# KiCad board motherboard.kicad_pcb (continued)
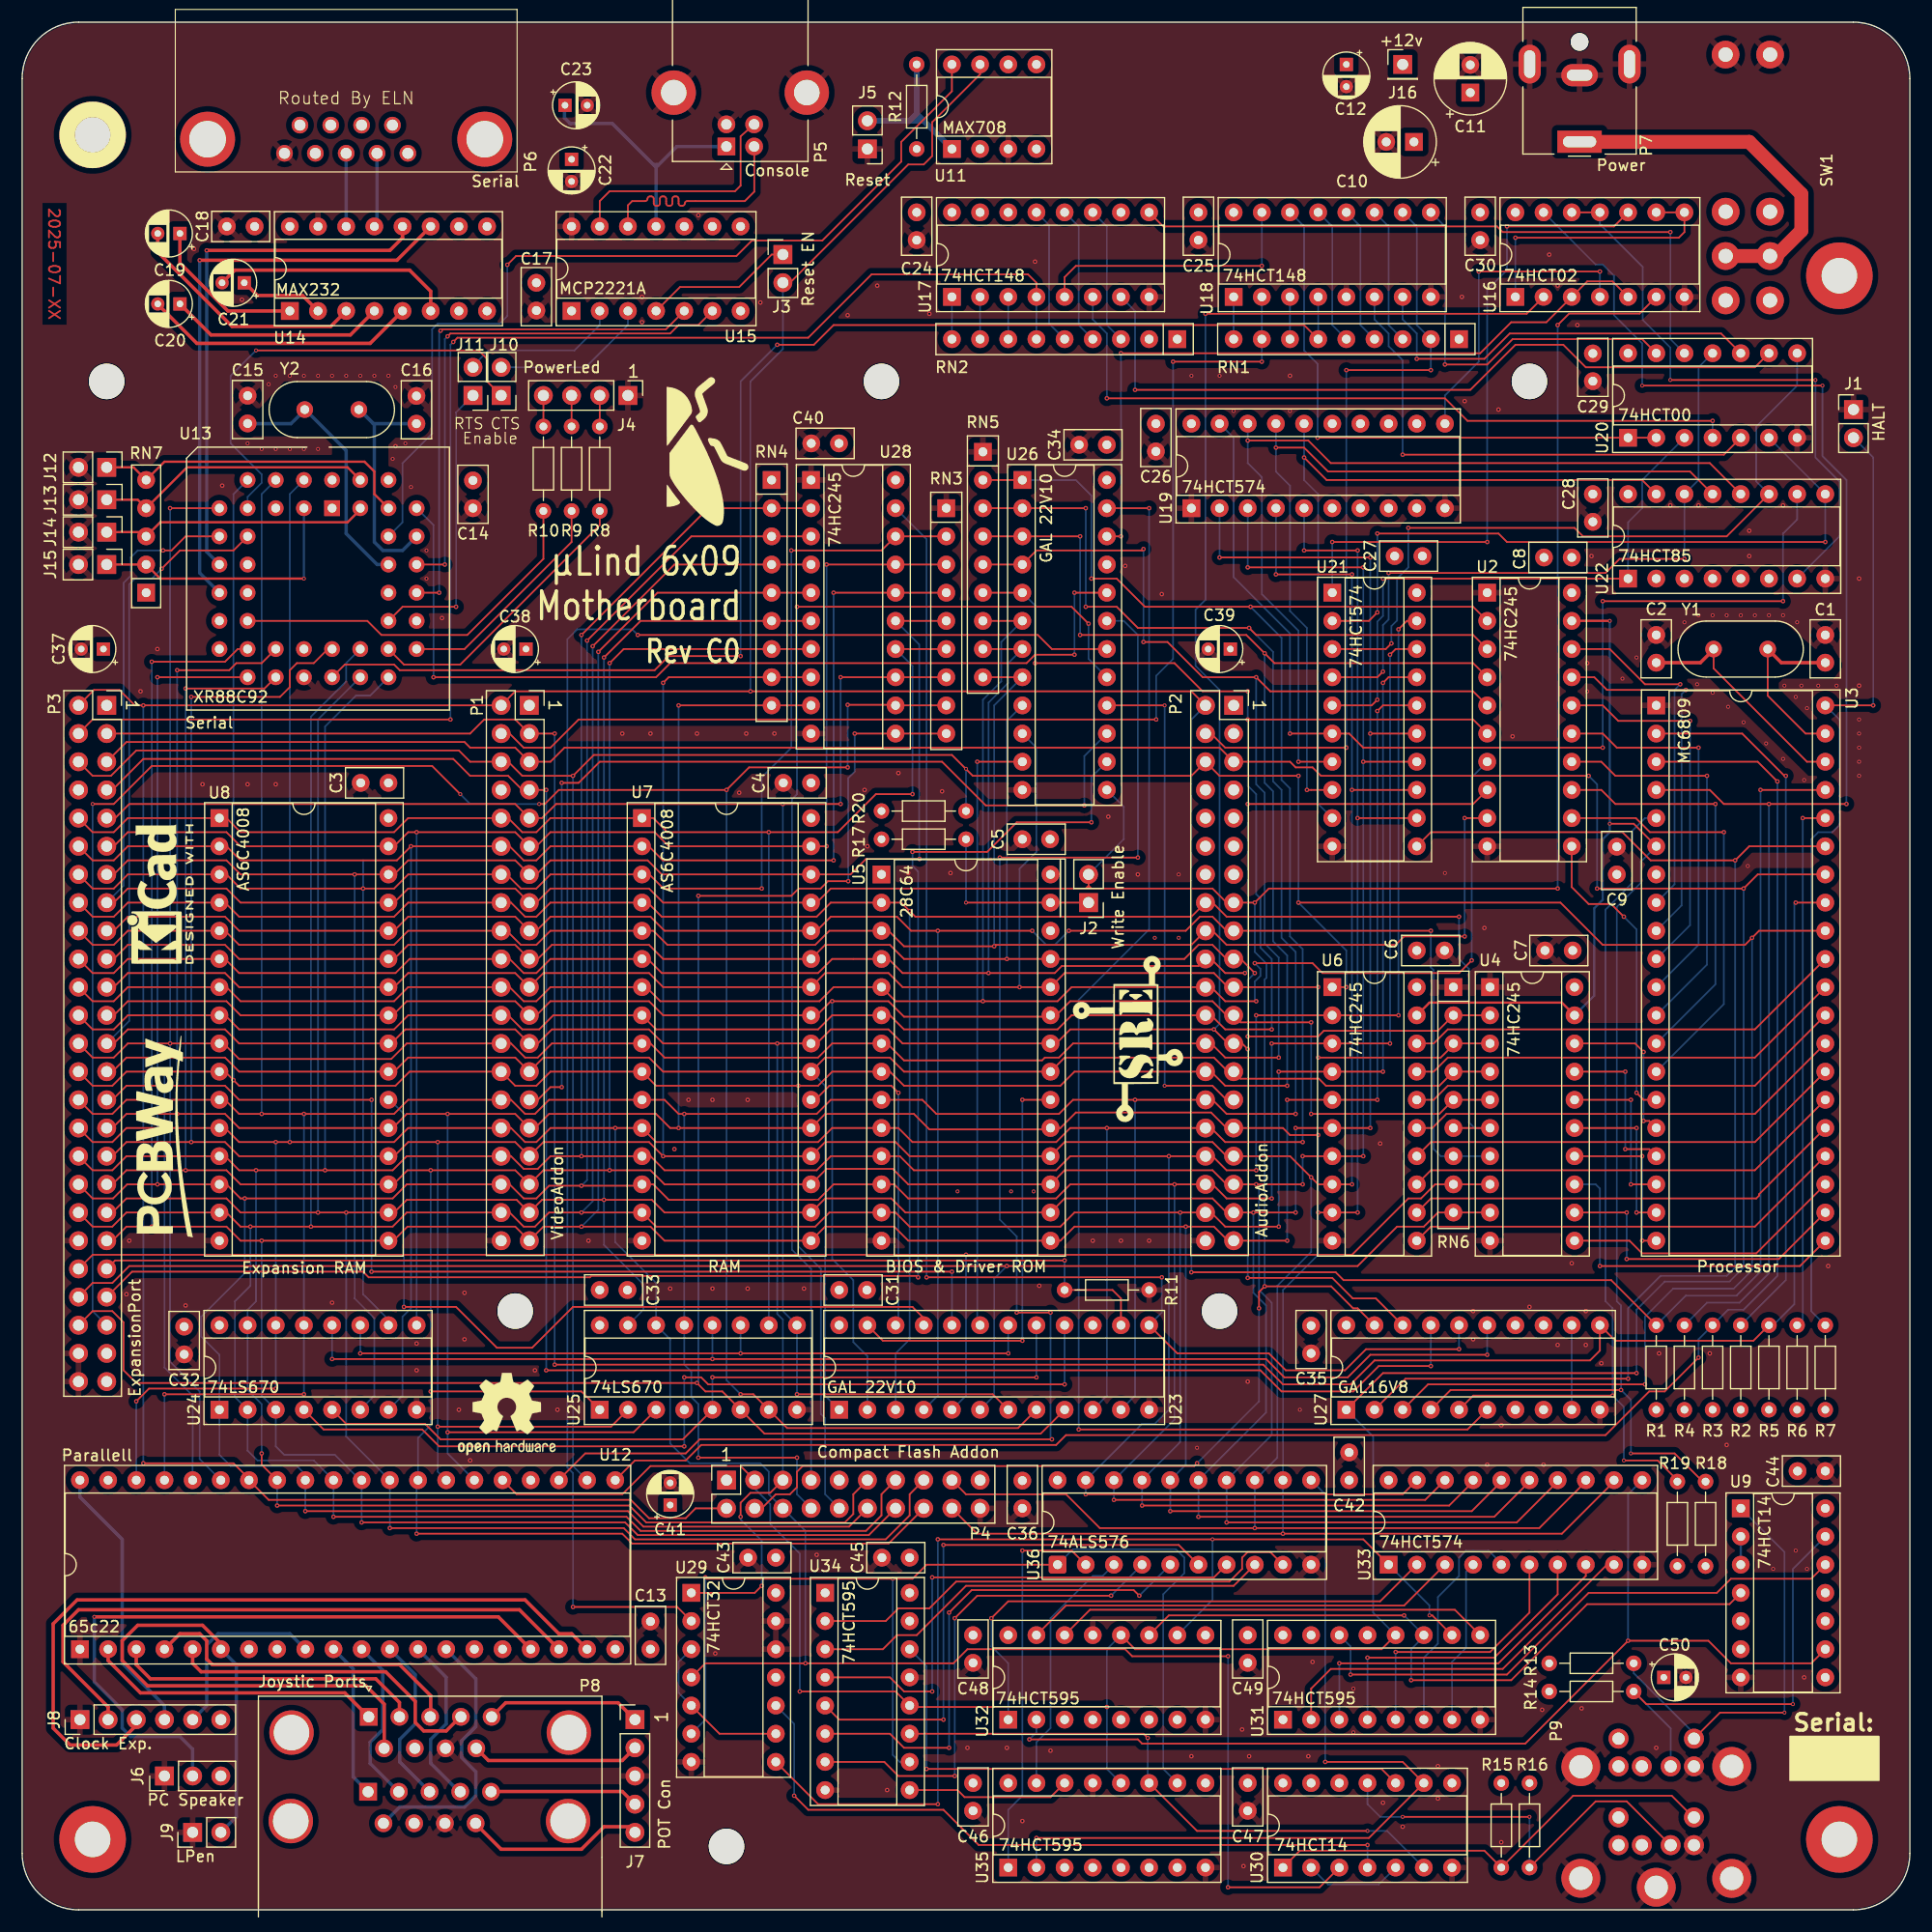
[diagram p0: board, top side]
## Routing (per net, layer and track width the routed paths; a pad name or vN(x,y) marks a point on that pad's centre or on a via; arc(x,y) is an arc through that point) (continued)
  Bottom w0.152: v1(111.12,90.8) 111.12,86.36 112.18,85.3 112.18,84.03 112.01,83.87 v1(112.01,56.21) ; P3.15 9.14,92.33 9.14,119.63 9.78,120.27 9.78,121.92 10.41,122.55 v1(12.7,122.55) ; J2.2 99.31,96.52 99.31,99.44 U26.13 ; v1(105.92,40.26) 111.51,45.85 v1(111.51,54.23) ; v1(138.43,92.07) v1(138.43,142.88)
/Power-Management/RST: length 82.2
  Top w0.152: U11.8 83.82,163.96 79.25,159.38 79.25,157.61 72.14,150.5 65.79,150.5 64.39,149.1 44.53,149.1 v1(43.74,148.31)
  Bottom w0.152: v1(43.74,148.31) 43.74,143.69 43.05,143 37.46,143 36.96,142.49 36.96,133.1 34.29,130.43 34.29,125.09 U13.38
/PS2/M_CLK: length 63.8
  Top w0.152: v1(124.59,26.54) 103.38,26.54 U32.11 ; U9.4 153.92,27.56 141.1,27.56 134.24,20.7 v1(125.22,20.7)
  Bottom w0.152: v1(124.59,26.54) U31.11 126.36,24.64 125.22,23.5 v1(125.22,20.7)
/PS2/M_DATA: length 50.9
  Top w0.152: v1(119.76,21.21) 133.86,21.21 141.22,28.57 152.78,28.57 154.05,29.84 161.29,29.84 U9.12
  Bottom w0.152: v1(119.76,21.21) 119.76,23.75 118.74,24.76
/PS2/PS2_KB_CLK: length 41.8
  Top w0.152: U30.1 115.19,5.33 131.83,5.33 133.35,3.81 139.83,10.29 148.72,10.29 150.67,8.33 P9.11
/PS2/PS2_KB_DATA: length 38.4
  Top w0.152: P9.7 148.6,5.83 144.65,9.78 141.86,9.78 135.89,3.81 ; v2(124.46,8.38) v2(135.89,8.38)
  Bottom w0.152: v2(124.46,8.38) 122.43,8.38 121.28,9.52 121.28,11.43 ; v2(135.89,8.38) 135.89,3.81
/PS2/PS2_M_CLK: length 38.8
  Top w0.152: v2(158.88,17.78) 153.07,17.78 P9.5 ; R13.2 145.54,22.48
  Bottom w0.152: v2(158.88,17.78) 158.88,32.26 U9.1 154.69,36.19 ; R13.2 145.29,21.34 150.72,15.9 P9.5
/PS2/PS2_M_DATA: length 39.7
  Top w0.152: 145.29,20.07 R14.2 146.43,18.54 v2(159.64,18.54)
  Bottom w0.152: P9.1 148.62,16.35 R14.2 ; v2(159.64,18.54) 159.64,30.73 U9.13
/Serial-Parallel/D+: length 21.6
  Top w0.152: U15.13 52.07,154.05 52.96,154.94 64.26,154.94 64.77,155.45 64.77,159.89 P5.3
/Serial-Parallel/D-: length 21.7
  Top w0.152: U15.12 54.61,153.67 54.99,154.05 56.17,154.05 arc(56.32,154.11) 56.38,154.26 arc(56.44,154.41) 56.59,154.47 56.73,154.47 arc(56.88,154.41) 56.94,154.26 56.94,153.84 arc(57,153.69) 57.15,153.63 57.29,153.63 arc(57.44,153.69) 57.5,153.84 57.5,154.26 arc(57.56,154.41) 57.71,154.47 57.85,154.47 arc(58,154.41) 58.06,154.26 58.06,153.84 arc(58.12,153.69) 58.27,153.63 58.41,153.63 arc(58.56,153.69) 58.62,153.84 58.62,154.26 arc(58.68,154.41) 58.83,154.47 58.97,154.47 arc(59.12,154.41) 59.18,154.26 59.18,153.84 arc(59.24,153.69) 59.39,153.63 59.53,153.63 arc(59.68,153.69) 59.74,153.84 arc(59.8,153.99) 59.95,154.05 65.15,154.05 66,154.9 66,158.96 P5.2
/~{IRQ_0}: length 121.3
  Top w0.152: U13.24 29.08,112.27 33.53,112.27 34.04,111.76 57.02,111.76 58.29,113.03 v1(64.77,113.03) ; v1(68.07,141.1) 71.37,141.1 73.15,142.88 115.57,142.88 RN2.6
  Bottom w0.152: U18.4 RN2.6 ; v1(68.07,141.1) 64.77,137.79 v1(64.77,113.03)
/~{IRQ_1}: length 3.8
  Bottom w0.152: U18.3 RN2.7
/~{IRQ_2}: length 107.4
  Top w0.152: P1.4 43.94,106.04 45.21,104.77 47.62,104.77 50.16,107.31 v1(102.23,107.31) ; v1(103.76,139.57) v1(111.76,139.57)
  Bottom w0.152: v1(102.23,107.31) 102.23,111.25 103.76,112.78 v1(103.76,139.57) ; U18.2 RN2.8 v1(111.76,139.57)
/~{IRQ_3}: length 3.8
  Bottom w0.152: U18.1 RN2.9
/~{IRQ_4}: length 12.5
  Bottom w0.152: U18.13 118.11,151.76 118.11,142.88 RN2.5
/~{IRQ_5}: length 12.5
  Bottom w0.152: RN2.4 120.65,142.88 120.65,151.76 U18.12
/~{IRQ_6}: length 12.5
  Bottom w0.152: RN2.3 123.19,142.88 123.19,151.76 U18.11
/~{IRQ_7}: length 70.2
  Top w0.152: P2.4 107.19,106.04 108.46,104.77 v1(119.38,104.77) ; v1(119.38,138.81) v1(127,138.81)
  Bottom w0.152: v1(127,138.81) RN2.2 125.73,142.88 125.73,151.76 U18.10 ; v1(119.38,138.81) v1(119.38,104.77)
/~{IRQ_8}: length 128.7
  Top w0.152: U17.4 91.44,146.69 90.68,147.45 76.58,147.45 70.87,141.73 39.24,141.73 v1(38.86,141.35) ; v1(38.61,107.31) 6.35,107.31 P3.4
  Bottom w0.152: v1(38.61,107.31) 38.61,141.1 v1(38.86,141.35) ; U17.4 RN1.6
/~{IRQ_9}: length 3.8
  Bottom w0.152: U17.3 RN1.7
/~{IRQ_10}: length 3.8
  Bottom w0.152: U17.2 RN1.8
/~{IRQ_11}: length 3.9
  Bottom w0.152: U17.1 83.82,141.73 83.95,141.6
/~{IRQ_12}: length 12.5
  Bottom w0.152: U17.13 92.58,151.89 92.58,143 RN1.5
/~{IRQ_13}: length 12.5
  Bottom w0.152: RN1.4 95.25,142.88 95.25,151.76 U17.12
/~{IRQ_14}: length 12.5
  Bottom w0.152: U17.11 97.79,151.76 97.79,142.88 RN1.3
~{RD}': length 7.6
  Bottom w0.152: U27.9 U27.12
Net-(J2-Pin_1): length 16.8
  Top w0.152: v2(85.09,90.8) U5.27 J2.1
  Bottom w0.152: v2(85.09,90.8) R17.1
Net-(J3-A): length 13.5
  Top w0.152: J3.1 67.57,149.23 64.64,146.3 59.31,146.3 U15.4
Net-(J4-BA): length 2.8
  Top w0.152: J4.4 46.99,133.74
Net-(J4-GA): length 2.8
  Top w0.152: J4.3 49.53,133.74
Net-(J4-RA): length 2.8
  Top w0.152: J4.2 R8.1
Net-(J6-Pin_2): length 61.2
  Top w0.305: v2(6.5,26.42) 42.93,26.42 U12.17
  Bottom w0.305: J6.2 15.37,14.48 14.22,15.62 9.78,15.62 9.02,16.38 9.02,18.03 6.5,20.55 v2(6.5,26.42)
Net-(J7-Pin_1): length 14.1
  Top w0.305: J7.1 53.72,18.67 43.59,18.67 P8.5
Net-(J7-Pin_2): length 15.2
  Top w0.305: P8.9 42.03,13.46 54.1,13.46 J7.2
Net-(J7-Pin_4): length 13.5
  Top w0.305: P8.15 42.29,10.67 54.1,10.67 J7.4
Net-(J7-Pin_5): length 16.4
  Top w0.305: P8.19 40.88,7.76 43.18,5.46 50.42,5.46 52.45,7.49 54.74,7.49 J7.5
Net-(J8-Pin_2): length 57.5
  Top w0.305: 8.25,17.14 J8.2 7.75,18.29 3.68,22.35 3.68,25.65 5.08,27.05 44.83,27.05 48.39,23.5
Net-(J8-Pin_3): length 69.6
  Top w0.305: U12.19 49.53,24.89 48.39,24.89 45.34,27.94 4.95,27.94 2.79,25.78 2.79,16.38 4.32,14.86 8.51,14.86 10.29,16.64 J8.3
Net-(J8-Pin_4): length 24.7
  Bottom w0.305: 12.83,17.14 12.83,18.41 9.02,22.22 9.02,33.4 5.21,37.21 U12.40
Net-(J8-Pin_5): length 17.1
  Bottom w0.305: 15.37,17.14 16.64,18.41 16.64,23.88 17.65,24.89 24.13,24.89 U12.9
Net-(J9-Pin_2): length 59.3
  Top w0.305: U12.6 17.91,24 16.26,25.65 10.41,25.65 9.02,24.26 9.02,22.48 11.3,20.19 30.99,20.19 32.64,18.54 32.64,14.57 P8.6
  Bottom w0.305: U12.6 19.3,22.1 19.3,8.38 J9.2
Net-(J10-A): length 41.8
  Top w0.152: J10.1 41.91,137.79 41.91,139.83 41.15,140.59 v2(21.08,140.59)
  Bottom w0.152: v2(21.08,140.59) 18.8,138.3 18.8,132.21 21.59,129.41 21.59,128.65 20.32,127.38 U13.8
Net-(J10-B): length 14.3
  Bottom w0.152: J10.2 50.8,139.06 54.61,142.88 U15.3
Net-(J11-A): length 26.3
  Top w0.152: U13.32 34.29,117.47 v1(39.12,117.47)
  Bottom w0.152: J11.1 39.12,135 v1(39.12,117.47)
Net-(J11-B): length 14.4
  Bottom w0.152: 40.51,139.06 42.04,140.59 49.78,140.59 52.07,142.88 U15.2
Net-(J12-A): length 29.5
  Top w0.203: U13.41 31.75,127.63 31.75,129.67 30.86,130.56 12.83,130.56 RN7.5 10.03,130.05 J12.1
Net-(J13-A): length 25.2
  Top w0.203: J13.1 10.41,127.13 RN7.4 14.86,130.05 29.34,130.05 U13.42
Net-(J14-A): length 24.7
  Top w0.203: U13.43 30.48,126.24 29.34,125.09 12.45,125.09 RN7.3 10.79,124.21 J14.1 8,123.82
Net-(J15-A): length 24.7
  Top w0.203: v2(25.4,120.01) 12.45,120.01 RN7.2 J15.1
  Bottom w0.203: U13.3 v2(25.4,120.01)
Net-(P5-VBUS): length 24.2
  Bottom w0.305: 56.9,157.35 57.28,157.35 57.34,157.29 ; 56.9,157.35 53.21,161.04 49.4,161.04 48.89,161.54 48.89,162.64 C23.1 ; 56.9,157.35 57.15,157.1 ; 57.34,157.29 59.02,158.97 P5.1 ; 57.34,157.29 57.15,157.1 ; 57.15,157.1 U15.11
Net-(SW1-1-C): length 34.3
  Top w1.1: 153.1,149.03 153.16,149.1 ; 157.2,149.1 157.2,149.1 SW1.4
  Top w1.25: 157.2,149.1 158.12,149.1 160.4,151.38 160.4,154.69 155.7,159.38 140.42,159.38 P7.1 ; 153.16,149.1 SW1.4
Net-(U3-EXTAL): length 21
  Top w0.152: U3.38 160.91,103.5 152.49,111.92 Y1.1
  Top w0.305: Y1.1 152.49,113.63 151.3,112.44 C2.1
Net-(U3-XTAL): length 16.5
  Top w0.152: U3.39 160.78,106.04 157.37,109.46 Y1.2
  Top w0.305: C1.1 158.6,112.44 Y1.2
Net-(U9-Pad2): length 2.5
  Bottom w0.203: U9.3 U9.2
Net-(U11-~{MR}): length 14.9
  Bottom w0.521: 80.64,161.93 R12.2 ; 80.64,161.93 81.28,161.29 ; 80.64,161.93 80.01,161.29 ; 80.01,161.29 81.28,161.29 ; 80.01,161.29 J5.2 ; 81.28,161.29 U11.1
Net-(U12-PA0): length 26.6
  Top w0.305: P8.1 29.08,19.56 10.67,19.56 7.75,22.48 U12.2
Net-(U12-PA1): length 27.8
  Top w0.305: P8.2 34.01,18.69 31.88,20.83 11.56,20.83 10.29,22.1 U12.3
Net-(U12-PA2): length 29.8
  Top w0.305: 12.83,23.5 14.22,24.89 16,24.89 16.64,24.26 16.64,22.61 17.14,22.1 34.04,22.1 36.83,19.3 36.83,17.45 P8.3
Net-(U12-PA3): length 29.6
  Top w0.305: P8.4 39.5,17.4 38.23,16.13 36.19,16.13 35.43,16.89 35.43,18.8 32.77,21.46 16.13,21.46 15.37,22.22 15.37,23.5
Net-(U12-PB0): length 14.1
  Bottom w0.305: U12.10 29.85,21.72 29.85,11.98 P8.11
Net-(U12-PB1): length 15.2
  Top w0.305: 33.93,10.64 P8.12
  Bottom w0.305: U12.11 32.51,21.59 32.51,16.26 31.37,15.11 31.37,13.21 33.93,10.64
Net-(U12-PB2): length 15.6
  Top w0.152: 33.15,23.62 33.15,23.5
  Top w0.305: 36.73,10.65 P8.13
  Bottom w0.305: 33.15,23.5 35.43,21.21 35.43,16.76 34.04,15.37 34.04,13.33 36.73,10.65
Net-(U12-PB3): length 15.6
  Top w0.305: 39.4,10.64 P8.14
  Bottom w0.305: 39.4,10.64 36.83,13.21 36.83,15.37 38.23,16.76 38.23,20.95 U12.13
Net-(U12-PB4): length 24.7
  Bottom w0.305: P8.16 34.04,9.27 39.88,9.27 40.89,10.29 40.89,12.45 39.62,13.72 39.62,15.24 40.89,16.51 40.89,20.83 U12.14
Net-(U13-OP4): length 26.1
  Top w0.152: R8.2 52.07,124.84 39.5,112.27 34.42,112.27 U13.30
Net-(U13-OP5): length 34.4
  Top w0.152: U13.16 31.11,116.2 32.39,114.94 40.13,114.94 46.99,121.79 R10.2
Net-(U13-OP6): length 20.8
  Top w0.152: R9.2 49.53,123.32 39.88,113.66 U13.29
Net-(U13-RxA): length 48
  Top w0.152: v1(38.35,141.86) 38.61,142.11 58.42,142.11 59.18,142.88 60.96,142.88 U15.6 ; U13.35 v1(38.1,121.28)
  Bottom w0.152: v1(38.1,121.28) 38.1,141.6 v1(38.35,141.86)
Net-(U13-RxB): length 47.9
  Top w0.305: U14.12 34.29,150.75 33.15,149.61 v1(16.64,149.61)
  Bottom w0.305: v1(16.64,149.61) 16.64,122.43 U13.11
Net-(U13-TxA): length 48.4
  Top w0.152: U13.33 v1(37.59,118.75) ; v1(37.72,142.37) 37.85,142.49 58.04,142.49 U15.5
  Bottom w0.152: v1(37.59,118.75) 37.59,142.24 v1(37.72,142.37)
Net-(U13-TxB): length 52.8
  Top w0.305: v1(16,148.72) 33.78,148.72 U14.11
  Bottom w0.305: v1(16,148.72) 16,120.52 U13.13
Net-(U13-X1/CLK): length 23.4
  Bottom w0.305: 20.34,133.98 24.24,133.98 25.51,135.25 29.21,131.56 29.21,124.08 32,121.28 U13.36
  Bottom w0.521: C15.1 20.34,133.98
Net-(U13-X2): length 22.8
  Bottom w0.305: U13.37 34.29,122.55 32.51,122.55 31.75,123.32 31.75,133.89 30.39,135.25 31.66,133.98 C16.1
Net-(U14-C1+): length 14.4
  Top w0.305: U14.1 18.54,144.14 14.22,148.46 C19.1
Net-(U14-C1-): length 22
  Top w0.305: C19.2 12.22,149.45 18.92,142.75 27.81,142.75 U14.3
Net-(U14-C2+): length 19.6
  Top w0.305: U14.4 29.59,141.99 17.02,141.99 C20.1
Net-(U14-C2-): length 24.8
  Top w0.305: U14.5 31.37,141.22 15.75,141.22 12.22,144.75 C20.2
Net-(U14-R1IN): length 6.7
  Bottom w0.305: P6.2 31.99,152 U14.13
Net-(U14-T1OUT): length 6.6
  Bottom w0.305: U14.14 P6.3
Net-(U14-VS+): length 7.7
  Top w0.305: 20.07,146.69 21.21,145.54 25.27,145.54 U14.2
Net-(U14-VS-): length 21.8
  Top w0.305: U14.6 36.83,145.92 34.92,147.83 19.17,147.83 C21.2
Net-(U16-Pad1): length 25.1
  Top w0.152: U16.9 U16.8 149.86,151.26 149.35,150.75 v1(134.62,150.75)
  Bottom w0.152: U16.1 v1(134.62,150.75)
Net-(U17-EI): length 24.8
  Top w0.152: U17.5 93.98,147.19 95,148.21 v1(111.76,148.21)
  Bottom w0.152: v1(111.76,148.21) U18.15
Net-(U17-S0): length 59.2
  Top w0.152: v1(148.59,151.26) 133.48,151.26 132.97,151.76 102.87,151.76 U17.9
  Bottom w0.152: U20.12 148.59,141.6 v1(148.59,151.26)
Net-(U17-S1): length 69.1
  Top w0.152: U20.9 156.21,139.06 140.97,139.06 138.94,141.1 134.62,141.1 130.56,137.03 v1(100.33,137.03)
  Bottom w0.152: U17.7 100.33,144.14 v1(100.33,137.03)
Net-(U17-S2): length 66.6
  Top w0.152: v1(152.4,134.24) 130.3,134.24 128.27,136.27 v1(97.79,136.27)
  Bottom w0.152: v1(97.79,136.27) 97.79,142.11 96.52,143.38 U17.6 ; v1(152.4,134.24) U20.4
Net-(U18-GS): length 51.9
  Top w0.152: v1(116.79,132.71) U20.1 U20.2
  Bottom w0.152: U18.14 115.57,151.76 115.57,140.59 116.79,139.37 v1(116.79,132.71)
Net-(U18-S0): length 34.8
  Top w0.152: v1(128.27,139.32) 132.08,139.32 134.37,141.6 146.05,141.6 U20.13
  Bottom w0.152: v1(128.27,139.32) 128.27,151.76 U18.9
Net-(U18-S1): length 37
  Top w0.152: v1(125.73,139.83) 131.83,139.83 134.11,142.11 153.16,142.11 U20.10
  Bottom w0.152: U18.7 124.46,143.38 125.73,142.11 v1(125.73,139.83)
Net-(U18-S2): length 46.4
  Top w0.152: v1(124.46,131.19) 153.42,131.19 U20.5
  Bottom w0.152: U18.6 121.92,143.38 123.19,142.11 123.19,140.97 124.46,139.7 v1(124.46,131.19)
Net-(U19-Cp): length 28.2
  Top w0.152: v1(142.24,147.7) v1(131.32,147.7)
  Bottom w0.152: U16.4 v1(142.24,147.7) ; U19.11 128.27,136.52 131.32,139.57 v1(131.32,147.7)
Net-(U19-Q0): length 98.9
  Top w0.152: v1(114.3,106.04) U21.6 119.63,106.04 120.9,104.77 v1(142.49,104.77) ; v1(142.49,117.98) v1(158.75,117.98)
  Bottom w0.152: v1(114.3,106.04) 114.3,115.06 109.22,120.14 109.22,132.71 U19.19 ; v1(158.75,117.98) 158.75,124.08 160.02,125.35 U22.10 ; v1(142.49,104.77) v1(142.49,117.98)
Net-(U19-Q1): length 81.9
  Top w0.152: U21.7 v1(115.06,103.5) ; v1(110.49,132.46) 115.95,132.46 117.98,130.43 152.15,130.43 U22.12
  Bottom w0.152: v1(115.06,103.5) 115.06,115.32 111.76,118.62 111.76,129.16 110.49,130.43 v1(110.49,132.46) U19.18
Net-(U19-Q2): length 77.6
  Top w0.152: v1(113.03,131.83) 115.57,131.83 117.73,129.67 150.37,129.67 U22.13 ; v1(115.82,100.97) U21.8
  Bottom w0.152: U19.17 v1(113.03,131.83) 113.03,129.67 114.3,128.4 114.3,117.09 115.82,115.57 v1(115.82,100.97)
Net-(U19-Q3): length 69.7
  Top w0.152: U22.15 146.05,128.9 117.6,128.9 v1(115.57,130.94)
  Bottom w0.152: U21.9 116.84,99.69 116.84,127.63 115.57,128.9 v1(115.57,130.94) U19.16
Net-(U21-D0): length 63.7
  Top w0.152: v1(122.17,116.97) 121.41,116.2 U21.2 ; v1(122.17,124.08) 133.1,124.08 133.86,123.32 v1(162.56,123.32)
  Bottom w0.152: U20.6 U22.9 v1(162.56,123.32) ; v1(122.17,116.97) v1(122.17,124.08)
Net-(U21-D1): length 65.7
  Top w0.152: v1(124.97,124.59) 139.95,124.59 140.72,123.82 153.67,123.82 U22.11 ; U21.3 122.94,113.66 v1(123.44,114.17)
  Bottom w0.152: v1(124.97,124.59) 124.97,121.03 123.95,120.01 123.95,116.25 123.44,115.74 v1(123.44,114.17) ; U20.8 160.02,137.41 156.34,133.73 156.34,128.78 U22.11
Net-(U21-D2): length 60.7
  Top w0.152: v1(122.68,111.63) 122.17,111.12 U21.4 ; v1(123.19,120.52) 142.75,120.52 144.02,121.79 v1(149.86,121.79)
  Bottom w0.152: v1(122.68,111.63) 122.68,115.82 123.19,116.33 v1(123.19,120.52) ; U20.11 151.13,139.06 151.13,128.9 U22.14 v1(149.86,121.79)
Net-(U21-D3): length 52.3
  Top w0.152: U21.5 121.67,108.58 v1(122.17,109.09) ; v1(122.68,120.01) U22.1
  Bottom w0.152: v1(122.17,109.09) 122.17,116.14 122.68,116.65 v1(122.68,120.01) ; U20.3 146.05,128.9 146.05,126.36 144.78,125.09 U22.1
Net-(U21-OE): length 59.2
  Top w0.152: v1(133.86,151.76) 143.51,151.76 U16.10 ; v1(118.11,123.32) v1(132.08,123.32)
  Bottom w0.152: v1(132.08,123.32) 132.08,146.05 133.86,147.83 v1(133.86,151.76) ; U21.1 v1(118.11,123.32)
Net-(U22-Oa<b): length 53.7
  Top w0.152: v2(161.67,137.92) v2(148.59,137.92) ; U16.11 U16.12
  Bottom w0.152: U16.11 142.24,151.97 146.1,148.11 146.1,143.33 148.59,140.84 v2(148.59,137.92) ; U22.7 163.83,123.82 163.83,128.78 161.67,130.94 v2(161.67,137.92)
Net-(U29-Pad3): length 14.7
  Top w0.152: U29.5 62.86,15.88 U29.9
  Bottom w0.152: U29.5 59.18,19.56 59.18,22.35 U29.3
Net-(U29-Pad10): length 64.4
  Top w0.152: v1(69.6,10.29) 70.87,9.02 83.06,9.02 86.23,5.84 v1(121.28,5.84)
  Bottom w0.152: v1(69.6,10.29) 69.6,16.76 U29.10 ; 121.28,3.81 v1(121.28,5.84)
Net-(U30-Pad2): length 8.9
  Bottom w0.152: U30.2 117.73,2.29 122.3,2.29 U30.5
Net-(U31-QC): length 34.7
  Top w0.152: U31.2 116.2,19.94 117.98,21.72 133.48,21.72 142.88,31.11 U33.9
Net-(U31-QD): length 31.6
  Top w0.152: U33.8 140.97,30.1 133.1,22.22 v1(118.74,22.22)
  Bottom w0.152: 118.74,17.14 v1(118.74,22.22)
Net-(U31-QE): length 27.8
  Top w0.152: v1(121.28,22.73) 132.72,22.73 138.43,28.45 U33.7
  Bottom w0.152: 121.28,17.14 v1(121.28,22.73)
Net-(U31-QF): length 24
  Top w0.152: U33.6 135.89,26.8 132.33,23.24 v1(123.83,23.24)
  Bottom w0.152: U31.5 v1(123.83,23.24)
Net-(U31-QG): length 20.6
  Bottom w0.152: U33.5 133.35,31.24 132.21,32.38 130.18,32.38 129.54,31.75 129.54,30.1 127.64,28.19 127.64,24 126.36,22.73 U31.6
Net-(U31-QH'): length 39.6
  Top w0.152: U31.9 129.16,27.05 96.27,27.05 U32.14
  Bottom w0.152: U32.14 93.98,25.02
Net-(U31-QH): length 14.8
  Bottom w0.152: U33.4 130.18,30.48 130.18,23.62 128.91,22.35 128.91,17.14
Net-(U31-~{SRCLR}): length 100.5
  Top w0.152: 128.91,24.76 127.13,26.54 v2(126.87,26.54) ; v1(82.55,9.52) 71.75,9.52 U29.8 ; v1(82.55,33.4) 120.9,33.4 U33.1
  Bottom w0.152: v2(126.87,26.54) 126.87,27.43 U33.1 ; v2(107.31,33.4) 107.31,27.94 U32.10 ; v1(82.55,33.4) v1(82.55,9.52)
Net-(U32-QA): length 39.5
  Top w0.152: U33.3 124.59,27.43 94.11,27.43 U32.15
Net-(U32-QB): length 50.1
  Top w0.152: v1(87.38,26.29) 88.9,27.81 122.43,27.81 U33.2
  Bottom w0.152: U32.1 88.9,22.22 87.38,23.75 v1(87.38,26.29)
Net-(U32-QC): length 94.2
  Top w0.152: v1(90.8,15.37) 100.58,15.37 100.96,14.99 135.51,14.99 v1(144.78,24.26) 152.02,24.26 154.05,22.22 161.29,22.22 U9.9
  Bottom w0.152: v1(144.78,24.26) 144.78,37.47 U33.11 ; U32.2 91.44,16 v1(90.8,15.37)
Net-(U34-QC): length 44.9
  Top w0.152: U34.2 77.85,26.03 78.99,27.18 81.79,27.18 84.2,29.59 108.84,29.59 109.98,30.73 109.98,31.75 110.49,32.26 112.52,32.26 U36.9
Net-(U34-QD): length 41.9
  Top w0.152: U34.3 77.6,23.5 78.87,24.76 80.64,24.76 85.09,29.21 109.22,29.21 111.12,31.11
Net-(U34-QE): length 47.5
  Top w0.152: v1(82.04,29.97) 107.44,29.97 U36.7 ; v1(82.04,19.69) 79.5,19.69 78.23,20.95 U34.4
  Bottom w0.152: v1(82.04,19.69) v1(82.04,29.97)
Net-(U34-QF): length 50.7
  Top w0.152: v1(83.06,32.89) 104.27,32.89 U36.6 ; U34.5 73.66,17.14 v1(83.06,17.14)
  Bottom w0.152: v1(83.06,17.14) v1(83.06,32.89)
Net-(U34-QG): length 46
  Top w0.152: v1(83.57,14.6) 79.5,14.6 78.23,15.88 U34.6 ; v1(100.71,28.32) 100.2,28.83 85.6,28.83 v1(83.57,26.8)
  Bottom w0.152: v1(83.57,14.6) v1(83.57,26.8) ; v1(100.71,28.32) U36.5
Net-(U34-QH'): length 14.8
  Top w0.152: U35.14 92.71,10.16 84.96,10.16 84.33,10.79 U34.9
Net-(U34-QH): length 45.3
  Top w0.152: v1(84.07,12.06) 78.99,12.06 77.72,13.33 U34.7 ; v1(84.07,26.29) 86.11,28.32 v1(98.17,28.32)
  Bottom w0.152: v1(84.07,12.06) v1(84.07,26.29) ; v1(98.17,28.32) U36.4
Net-(U34-SER): length 54.2
  Top w0.152: v1(81.53,12.7) 122.55,12.7 U30.10
  Bottom w0.152: v1(81.53,12.7) 81.53,21.97 U34.14
Net-(U34-SRCLK): length 53.7
  Top w0.152: v2(121.28,7.11) 105.92,7.11 U35.11 ; U34.11 101.09,15.88 v1(101.47,15.49)
  Bottom w0.152: U30.6 123.06,7.11 v2(121.28,7.11) ; v1(101.47,15.49) 101.47,11.56 U35.11
Net-(U34-~{SRCLR}): length 98.6
  Top w0.152: v1(61.59,29.97) 61.72,29.84 80.26,29.84 81.53,31.11 U36.1
  Bottom w0.152: U36.1 94.74,32.51 104.01,32.51 104.77,31.75 104.77,30.35 102.87,28.45 102.87,12.7 U35.10 ; U34.10 79.12,13.33 78.49,13.97 v2(78.49,29.84) ; U29.6 61.59,17.14 v1(61.59,29.97)
Net-(U35-QA): length 23.1
  Bottom w0.152: U36.3 97.41,30.1 96.52,30.1 92.71,26.29 92.71,16.38 91.44,15.11 U35.15
Net-(U35-QB): length 35.3
  Top w0.152: 95.88,31.11 94.61,32.38 v1(90.17,32.38)
  Bottom w0.152: v1(90.17,32.38) 90.17,10.29 88.9,9.02 U35.1
Net-(U35-QC): length 75.4
  Top w0.152: v1(117.48,13.33) 124.46,13.33 U30.9 121.41,6.48 v1(91.44,6.48)
  Bottom w0.152: U35.2 v1(91.44,6.48) ; 126.24,11.3 U30.9 ; v1(117.48,13.33) 117.48,37.47 U36.11
unconnected-(P2-Pin_3-Pad3): length 0.5
  Top w0.152: P2.3 108.71,106.04
unconnected-(P9-NC-Pad8): length 0.4
  Top w0.152: P9.8 146.02,5.43

## Copper pours and planes (outline as drawn; the poured copper is in the pictures)
GND on Top, Bottom, In2.Cu: -1.27,170.81 -1.27,-1.91 171.45,-1.91 171.45,170.81
VCC on In1.Cu: -1.91,171.45 -1.91,-2.54 172.09,-2.54 172.09,171.45

## Text on the board
B.Silkscreen: For / Linus & Love | (c) 2025 Eric Lind / Licensed under CERN-OHL-P v2.0
Top: 2025-07-XX
F.Silkscreen: Enable | Serial | Expansion RAM | RAM | BIOS & Driver ROM | Processor | Parallell | Routed By ELN | 1 | Serial: | Rev C0 | µLind 6x09 / Motherboard
